# Altium PCB Controller_PVC_v2.PcbDoc (part 1 of 2) (continued)
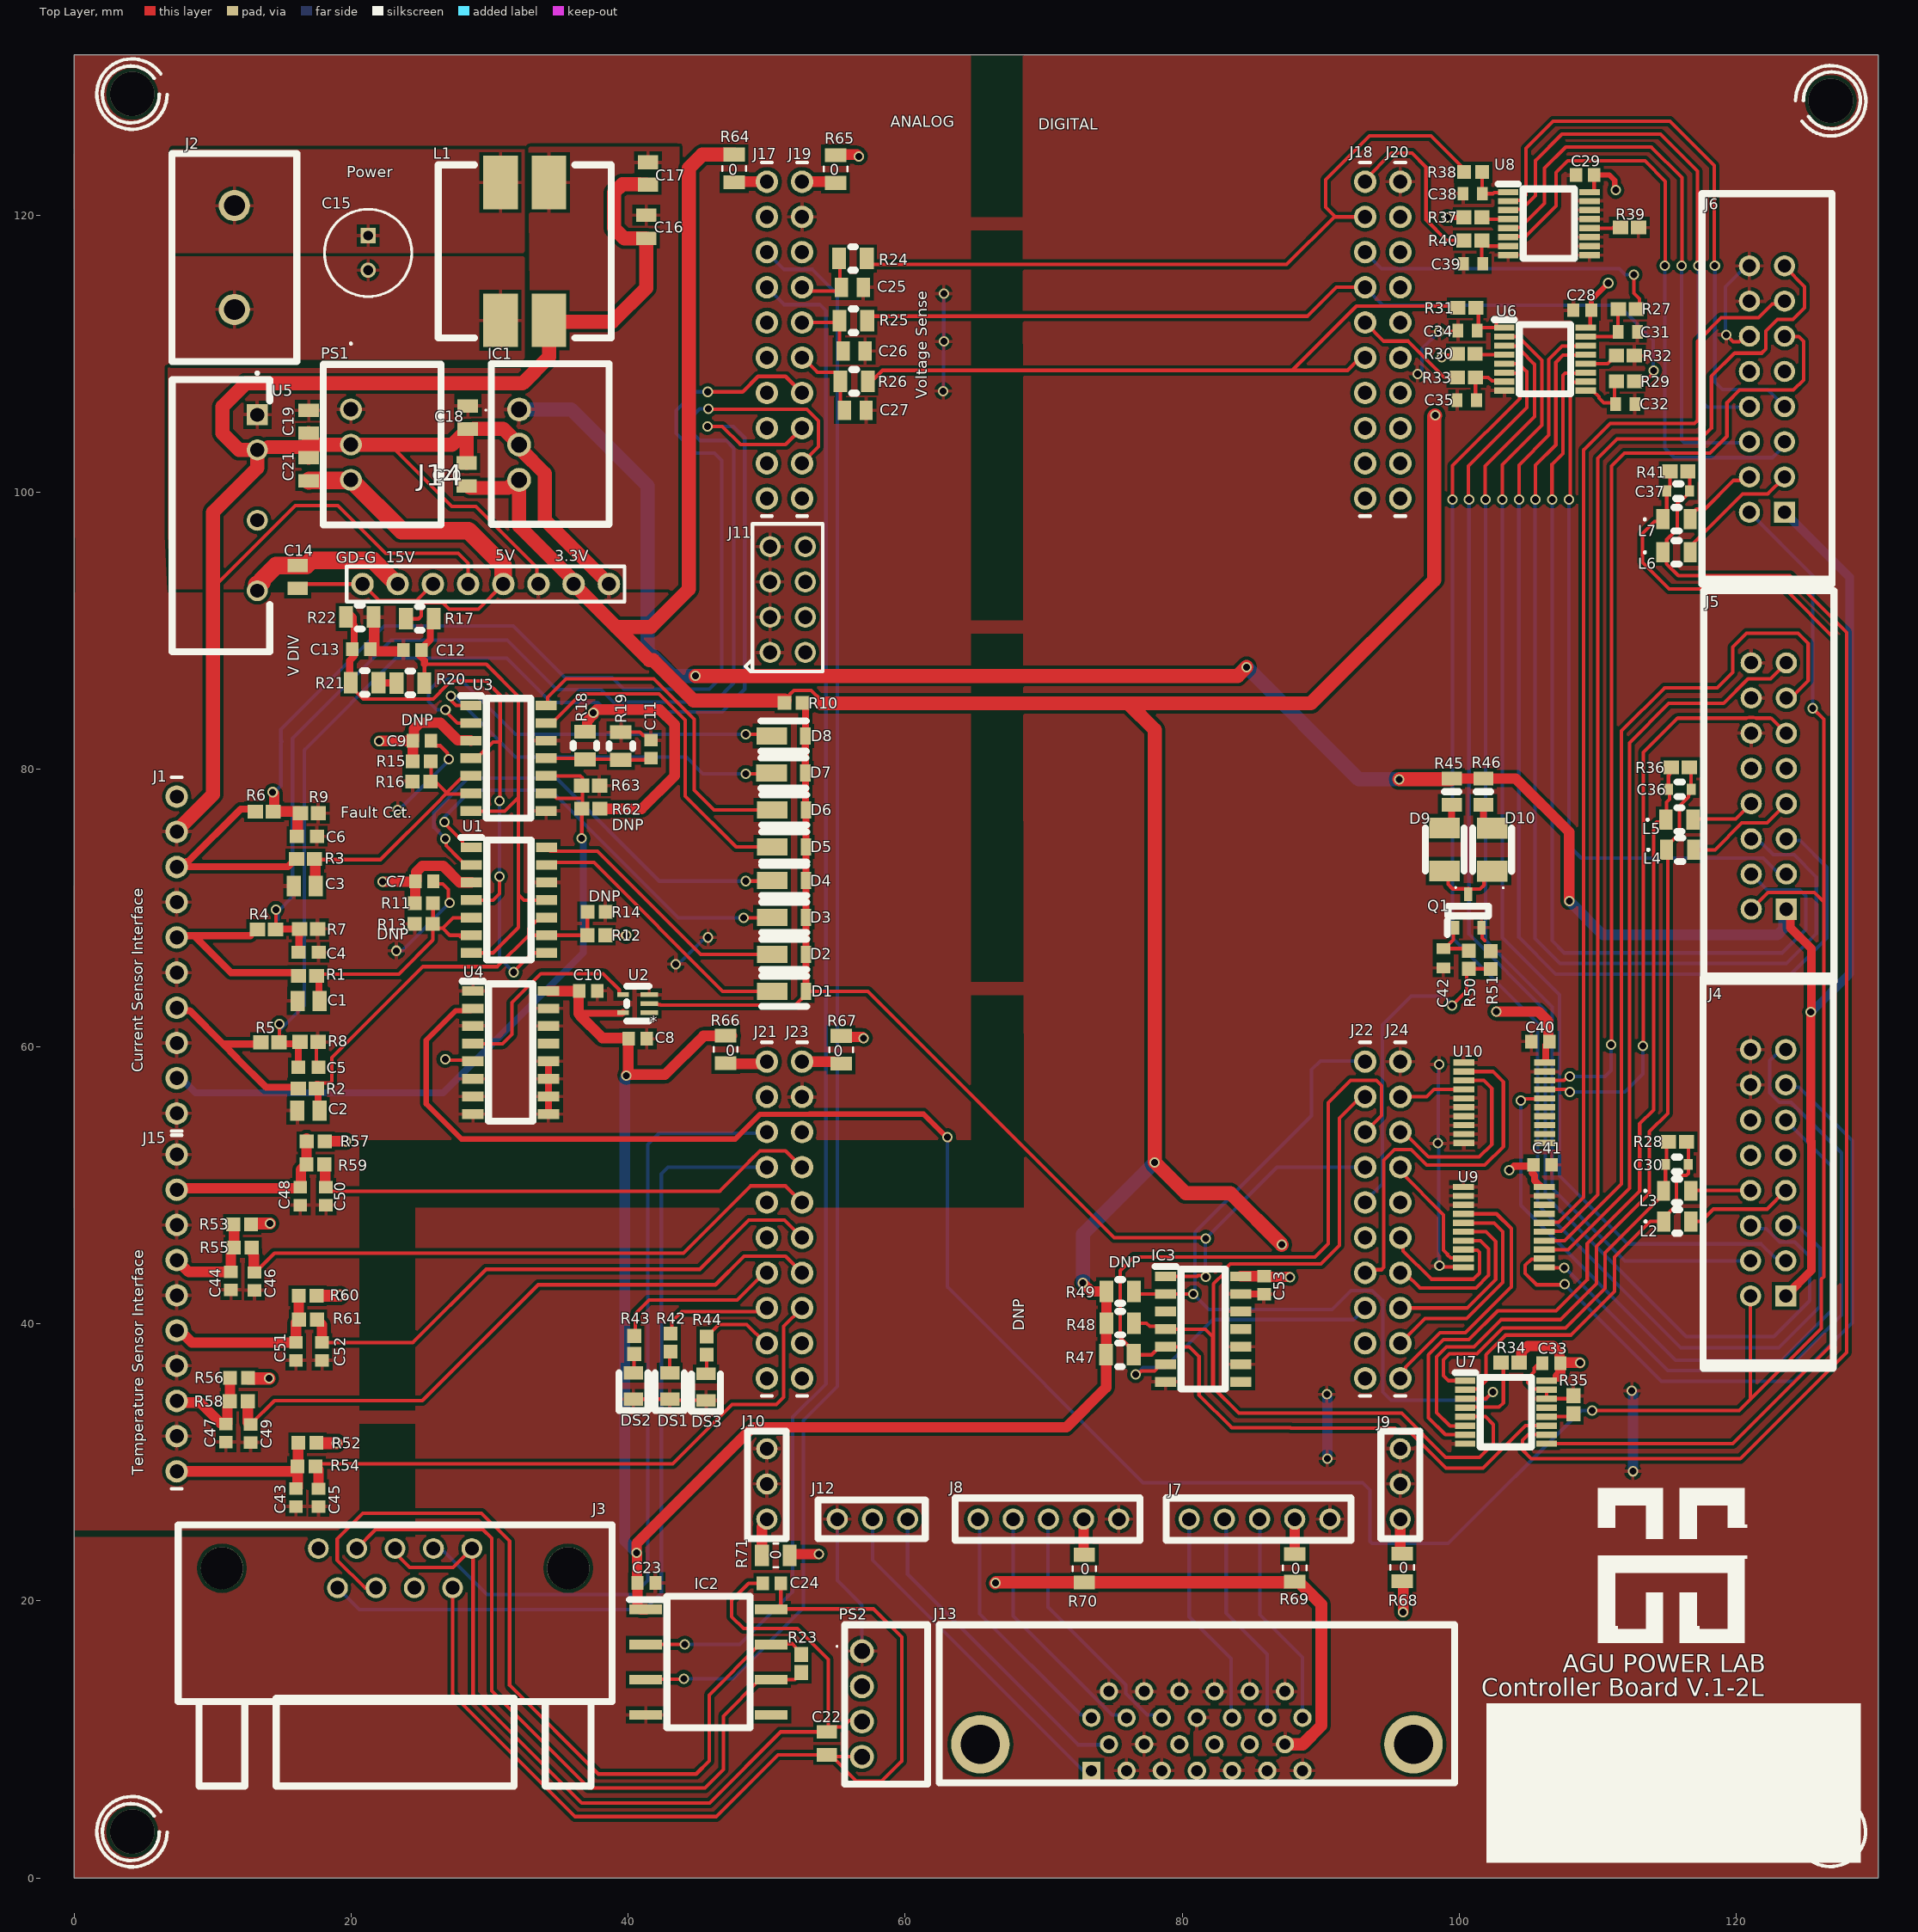
[diagram p0: Top Layer view]
## Components (designator, comment, footprint, x,y, rotation, side; value= is the part's Value field where it differs from the comment) (continued)
R22 "1.24K" RES0805_RN73_TYCO_TYC 20.625,90.983 r0 top
R23 "120" RESC1608X55N#1 52.502,15.469 r90 top
R24 "2.2K ohm 0805 ERA-6ARB222V" RES0805_RN73_TYCO_TYC 56.229,116.865 r180 top
R25 "2.2K ohm 0805 ERA-6ARB222V" RES0805_RN73_TYCO_TYC 56.261,112.37 r180 top
R26 "2.2K ohm 0805 ERA-6ARB222V" RES0805_RN73_TYCO_TYC 56.305,108.001 r180 top
R27 "RC0603JR-07120RL" RESC1608X55N#1 112.116,113.208 r0 top
R28 "100" RESC1608X55N#1 115.733,53.111 r0 top
R29 "RC0603JR-07120RL" RESC1608X55N#1 111.989,108.001 r0 top
R30 "RC0603JR-0715KL" RESC1608X55N#1 100.482,109.982 r0 top
R31 "RC0603JR-07120RL" RESC1608X55N#1 100.533,113.309 r0 top
R32 "RC0603JR-0715KL" RESC1608X55N#1 111.974,109.855 r0 top
R33 "RC0603JR-07120RL" RESC1608X55N#1 100.508,108.28 r0 top
R34 "15k" RESC1608X55N#1 103.657,37.186 r0 top
R35 "15k" RESC1608X55N#1 108.229,34.148 r90 top
R36 "100" RESC1608X55N#1 115.936,80.137 r0 top
R37 "RC0603JR-0715KL" RESC1608X55N#1 100.975,119.837 r0 top
R38 "RC0603JR-07120RL" RESC1608X55N#2 100.99,123.114 r0 top
R39 "RC0603JR-0715KL" RESC1608X55N#1 112.273,119.101 r0 top
R40 "RC0603JR-07120RL" RESC1608X55N#1 100.965,118.161 r0 top
R41 "100" RESC1608X55N#1 115.839,101.498 r0 top
R42 "RC0603FR-07680RL" RESC1608X55N#2 43.053,38.633 r90 top
R43 "RC0603FR-07680RL" RESC1608X55N#2 40.437,38.456 r90 top
R44 "RC0603FR-07680RL" RESC1608X55N#2 45.669,38.405 r90 top
R45 "KTR10EZPF1801" RESC2012X65N 99.441,78.384 r90 top
R46 "KTR10EZPF1801" RESC2012X65N 101.727,78.384 r90 top
R47 "1.24K ohm" RES0805_RN73_TYCO_TYC 75.495,37.744 r0 top
R48 "1.24K ohm" RES0805_RN73_TYCO_TYC 75.514,40.03 r0 top
R49 "1.24K ohm" RES0805_RN73_TYCO_TYC 75.514,42.316 r0 top
R50 "RC0603JR-07120RL" RESC1608X55N#2 100.686,66.254 r90 top
R51 "MCR03ERTF1002" RESC1608X55N#2 102.26,66.228 r270 top
R52 "10k 0.1W" RESC1608X55N#2 16.855,31.394 r0 top
R53 "10k 0.1W" RESC1608X55N#2 12.141,47.168 r0 top
R54 "1k 0.1W" RESC1608X55N#2 16.789,29.693 r0 top
R55 "1k 0.1W" RESC1608X55N#2 12.177,45.491 r0 top
R56 "10k 0.1W" RESC1608X55N#2 11.913,36.093 r0 top
R57 "10k 0.1W" RESC1608X55N#2 17.45,53.137 r0 top
R58 "1k 0.1W" RESC1608X55N#2 11.898,34.392 r0 top
R59 "1k 0.1W" RESC1608X55N#2 17.424,51.486 r0 top
R60 "10k 0.1W" RESC1608X55N#2 16.866,42.012 r0 top
R61 "1k 0.1W" RESC1608X55N#2 16.891,40.284 r0 top
R62 "2k" RESC1608X55N#1 37.313,77.165 r180 top
R63 "2k" RESC1608X55N#1 37.287,78.816 r180 top
R64 "0ohm 0805" RES0805_RN73_TYCO_TYC 47.65,123.368 r270 top
R65 "0ohm 0805" RES0805_RN73_TYCO_TYC 54.966,123.317 r90 top
R66 "0ohm 0805" RES0805_RN73_TYCO_TYC 47.041,59.792 r270 top
R67 "0ohm 0805" RES0805_RN73_TYCO_TYC 55.372,59.766 r90 top
R68 "0ohm 0805" RES0805_RN73_TYCO_TYC 95.86,22.396 r90 top
R69 "0ohm 0805" RES0805_RN73_TYCO_TYC 88.113,22.371 r90 top
R70 "0ohm 0805" RES0805_RN73_TYCO_TYC 72.923,22.32 r90 top
R71 "0ohm 0805" RES0805_RN73_TYCO_TYC 50.654,23.266 r180 top
U1 "LM339DT" SOIC127P600X175-14N 31.394,70.561 r0 top
U2 "74AHC1G14GW (Inverter)" SOT353-1_NXP 40.691,63.094 r180 top
U3 "LM339DT" SOIC127P600X175-14N 31.369,80.797 r0 top
U4 "HEF4043BT,652" SOIC127P600X175-16N 31.521,59.563 r0 top
U5 "PDM2-S12-S15-S" CONV_PDM2-S12-S15-S 13.233,105.588 r270 top
U6 "AM26LV31EIPWR" SOP65P640X120-16N 106.172,109.601 r0 top
U7 "AM26LV32EIPWR" SOP65P640X120-16N 103.353,33.604 r0 top
U8 "AM26LV31EIPWR" SOP65P640X120-16N 106.451,119.38 r0 top
U9 "SN74LV541ATPWRv2" PCBComponent_1#5 100.279,49.847 r0 top
U10 "SN74LV541ATPWRv2" PCBComponent_1#5 100.305,58.828 r0 top

## Footprints (in the part's own frame and the unit in brackets; to place one, negate y for a bottom-side part, rotate by r counter-clockwise, add the part's x,y. Pads: shape width x height; smd on the part's side, far side on the other; paste and mask are expansions set on the pad)
"8POS CONN" [mm]
  round 1.62 hole 1.02: 1(0,10.16) 2(0,7.62) 3(0,5.08) 4(0,2.54) 5(0,0) 6(0,-2.54) 7(0,-5.08) 8(0,-7.62)
  silkscreen extent -1.27,-8.76 1.27,11.3
1022655G3PC [mm]
  rect 1.316x1.316 hole 0.81: 1(0,0)
  round 1.316 hole 0.81: 2(-1.27,-1.91) 3(-2.54,0) 4(-3.81,-1.91) 5(-5.08,0) 6(-6.35,-1.91) 7(-7.62,0) 8(-8.89,-1.91) 9(-10.16,0) 10(-11.43,-1.91) 11(-12.7,0) 12(-13.97,-1.91) 13(-15.24,0) 14(0,-3.82) 15(-1.27,-5.73) 16(-2.54,-3.82) 17(-3.81,-5.73) 18(-5.08,-3.82) 19(-6.35,-5.73) 20(-7.62,-3.82) 21(-8.89,-5.73) 22(-10.16,-3.82) 23(-11.43,-5.73) 24(-12.7,-3.82) 25(-13.97,-5.73) 26(-15.24,-3.82)
  round 4.215 hole 2.81: MH1(8.01,-1.91) MH2(-23.25,-1.91)
  silkscreen extent -26.22,-10.53 10.98,0.87
2828442 [mm]
  round 2.25 hole 1.5: 1(0,0) 2(7.5,0)
  silkscreen extent -3.75,-4.5 11.25,4.5, body extent -3.69,-4.5 11.81,4.5, height 15.02
AA3528VRVFSA [mm]
  rect 1.5x2.2 smd: 1(-1.55,0) 2(1.55,0)
  silkscreen extent -2.8,-1.4 1.55,1.4, body extent -1.6,-1.4 1.6,1.4, height 2.2
CAP_CL10_SAM [mm]
  rect 0.656x0.8 smd paste+0 mask+0: 1(-0.828,0) 2(0.828,0)
  silkscreen extent -0.19,-0.53 0.19,0.53, body extent -0.8,-0.27 0.8,0.53, height 0.9
CAPC1608X90N [mm]
  rect 0.78x0.99 smd: 1(-0.7,0) 2(0.7,0)
  body extent -0.8,-0.4 0.8,0.41, height 0.9
CAPC1608X95N [mm]
  rect 0.89x0.98 smd: 1(-0.65,0) 2(0.65,0)
  body extent -0.8,-0.4 0.8,0.4, height 0.95
CAPC2012X70N [mm]
  rect 0.96x1.39 smd: 1(-0.79,0) 2(0.79,0)
  body extent -1,-0.62 1,0.63, height 0.7
CAPC2012X110N [mm]
  rect 1.02x1.47 smd: 1(-0.8,0) 2(0.8,0)
  body extent -1,-0.62 1,0.63, height 1.1
CAPC2012X145N [mm]
  rect 0.97x1.47 smd: 1(-0.83,0) 2(0.83,0)
  body extent -1,-0.63 1,0.63, height 1.45
CAPC17595_87N_KEM [mm]
  rect 1.006x0.95 smd paste+0 mask+0: 1(-0.728,0) 2(0.728,0)
  body extent -0.89,-0.47 0.86,0.48, height 0.87
CAPPRD250W50D630H1250 [mm]
  rect 1.1x1.1 hole 0.7: 1(0,0)
  round 1.1 hole 0.7: 2(2.5,0)
  silkscreen extent -1.9,-3.15 4.4,3.15, body extent -1.9,-3.15 4.4,3.15, height 12.5
con16_2X8_S4_TEC [mil]
  rect 60x60 hole 38: 1(0,0)
  round 60 hole 38 mask+0: 2(0,100) 3(100,0) 4(100,100) 5(200,0) 6(200,100) 7(300,0) 8(300,100) 9(400,0) 10(400,100) 11(500,0) 12(500,100) 13(600,0) 14(600,100) 15(700,0) 16(700,100)
  silkscreen extent -205,-135 905,235, body extent -50,-50 750,150, height 385
"CONN_A-DS 09 A/KG-T2S_ASM" [mil]
  round 59 hole 39 mask+0: 1(218.11,-429.92) 2(109.06,-429.92) 3(0,-429.92) 4(-109.05,-429.92) 5(-218.11,-429.92) 6(163.58,-318.11) 7(54.53,-318.11) 8(-54.53,-318.11) 9(-163.58,-318.11)
  round 120 hole 120 unplated: 10(-491.93,-374.02) 11(491.93,-374.02)
  silkscreen extent -617,-497 616,245, body extent -606,-487 617,245, height 504
CONV_PDM2-S12-S15-S [mm]
  rect 1.508x1.508 hole 1: 1(0,0)
  round 1.508 hole 1: 2(2.54,0) 4(7.62,0) 6(12.7,0)
  silkscreen extent -3.1,-6.15 17.11,0.9
IND_2012_TDK [mm]
  rect 0.956x1.45 smd paste+0 mask+0: 1(-0.978,0) 2(0.978,0)
  silkscreen extent -2.37,-0.85 0.19,0.85, body extent -1.23,-0.72 0.97,0.73, height 1.1
LEDC2012X80N [mm]
  rect 0.9x1.4 smd: 1(-0.95,0) 2(0.95,0)
  silkscreen extent -1.75,-1.05 0.95,1.05
LEDC2012X90N [mm]
  rect 0.95x1.4 smd: 1(-0.95,0) 2(0.95,0)
  silkscreen extent -1.77,-1.05 0.95,1.05
PCBComponent_1#1 [mm]
  round 1.62 hole 1.02: 1(0,0) 2(0,2.54) 3(0,5.08) 4(0,7.62) 5(0,10.16) 6(0,12.7) 7(0,15.24) 8(0,17.78) 9(0,20.32) 10(0,22.86)
  silkscreen extent -0.38,-1.4 0.38,24.13
PCBComponent_1#2 [mm]
  round 1.524 hole 1: 1(0,0) 2(0,-2.54) 3(0,-5.08) 4(0,-7.62) 5(0,-10.16)
  silkscreen extent -1.52,-11.68 1.52,1.65
PCBComponent_1#3 [mm]
  round 1.524 hole 1: 1(0,0) 2(2.54,0) 3(5.08,0)
  silkscreen extent -1.27,-1.4 6.48,1.4
PCBComponent_1#4 [mm]
  round 1.524 hole 1.016: 1(0,0) 2(0,2.54) 3(0,5.08) 4(0,7.62) 5(2.54,7.62) 6(2.54,5.08) 7(2.54,2.54) 8(2.54,0)
  round 1.524 hole 0.65: 4(0,7.62) 5(2.54,7.62)
  silkscreen extent -1.78,-1.4 3.81,9.27
PCBComponent_1#5 [mm]
  rect 1.524x0.45 smd: 1(0,0.008) 2(0,-0.637) 3(0,-1.282) 4(0,-1.927) 5(0,-2.572) 6(0,-3.217) 7(0,-3.862) 8(0,-4.507) 9(0,-5.152) 10(0,-5.797) 11(5.842,-5.797) 12(5.842,-5.152) 13(5.842,-4.507) 14(5.842,-3.862) 15(5.842,-3.217) 16(5.842,-2.572) 17(5.842,-1.927) 18(5.842,-1.282) 19(5.842,-0.637) 20(5.842,0.008)
  body extent -0.28,-6.17 6.12,0.33, height 1.13
POWERDI123_DIO [mil]
  rect 87x49 smd paste+0 mask+0: 1(-33.5,0)
  rect 30x49 smd paste+0 mask+0: 2(62,0)
  silkscreen extent -64,-43 64,43, body extent -77,-38 77,38, height 39
R78E3310 [mm]
  round 1.725 hole 1.15: 1(0,0) 2(2.54,0) 3(5.08,0)
  silkscreen extent -3.31,-2.45 8.29,6.5, body extent -3.31,-2 8.29,6.5, height 11
R78E5010 [mm]
  round 1.575 hole 1.05: 1(0,0) 2(2.54,0) 3(5.08,0)
  silkscreen extent -4.8,-2 8.34,6.5, body extent -3.26,-2 8.34,6.5, height 10.5
RES0805_RN73_TYCO_TYC [mil]
  rect 39.5x61 smd paste+0 mask+0: 1(-39.25,0) 2(39.25,0)
  silkscreen extent -7,-34 7,34, body extent -53,-29 34,29, height 24
RESC1608X55N#1 [mm]
  rect 1.1x1 smd: 1(-0.65,0) 2(0.65,0)
  body extent -0.8,-0.4 0.8,0.4, height 0.55
RESC1608X55N#2 [mm]
  rect 1x1 smd: 1(-0.65,0) 2(0.65,0)
  body extent -0.8,-0.4 0.8,0.4, height 0.55
RESC2012X65N [mm]
  rect 1x1.45 smd: 1(-0.95,0) 2(0.95,0)
  silkscreen extent 0,-0.53 0,0.53, body extent -1,-0.63 1,0.63, height 0.65
RFM0505S [mm]
  round 1.725 hole 1.15: 1(0,0) 2(2.54,0) 3(5.08,0) 4(7.62,0)
  silkscreen extent -1.9,-1.85 9.6,4.75, body extent -1.9,-1.25 9.6,4.75, height 10.6
SOIC127P600X175-14N [mm]
  rect 1.525x0.7 smd: 1(-2.712,3.81) 2(-2.712,2.54) 3(-2.712,1.27) 4(-2.712,0) 5(-2.712,-1.27) 6(-2.712,-2.54) 7(-2.712,-3.81) 8(2.712,-3.81) 9(2.712,-2.54) 10(2.712,-1.27) 11(2.712,0) 12(2.712,1.27) 13(2.712,2.54) 14(2.712,3.81)
  silkscreen extent -3.48,-4.33 1.6,4.51, body extent -3,-4.33 3,4.33, height 1.75
SOIC127P600X175-16N [mm]
  rect 1.55x0.7 smd: 1(-2.725,4.445) 2(-2.725,3.175) 3(-2.725,1.905) 4(-2.725,0.635) 5(-2.725,-0.635) 6(-2.725,-1.905) 7(-2.725,-3.175) 8(-2.725,-4.445) 9(2.725,-4.445) 10(2.725,-3.175) 11(2.725,-1.905) 12(2.725,-0.635) 13(2.725,0.635) 14(2.725,1.905) 15(2.725,3.175) 16(2.725,4.445)
  silkscreen extent -3.5,-4.95 1.6,5.15, body extent -3,-4.95 3,4.95, height 1.75
SOP65P640X120-16N [mm]
  rect 1.475x0.45 smd: 1(-2.938,2.275) 2(-2.938,1.625) 3(-2.938,0.975) 4(-2.938,0.325) 5(-2.938,-0.325) 6(-2.938,-0.975) 7(-2.938,-1.625) 8(-2.938,-2.275) 9(2.938,-2.275) 10(2.938,-1.625) 11(2.938,-0.975) 12(2.938,-0.325) 13(2.938,0.325) 14(2.938,0.975) 15(2.938,1.625) 16(2.938,2.275)
  silkscreen extent -3.67,-2.5 1.85,2.85, body extent -3.2,-2.5 3.2,2.5, height 1.2
SOP254P1040X485-8N [mm]
  rect 2.35x0.7 smd: 1(-4.525,3.81) 2(-4.525,1.27) 3(-4.525,-1.27) 4(-4.525,-3.81) 5(4.525,-3.81) 6(4.525,-1.27) 7(4.525,1.27) 8(4.525,3.81)
  silkscreen extent -5.7,-4.75 3,4.75, body extent -5.2,-4.75 5.2,4.75, height 4.85
SOT96P237X111-3N [mm]
  rect 1x0.6 smd: 1(-1.2,0.955) 2(-1.2,-0.955) 3(1.2,0)
  silkscreen extent -1.7,-1.46 0.35,1.51, body extent -1.18,-1.46 1.18,1.46, height 1.11
SOT353-1_NXP [mil]
  rect 51x14 smd paste+0 mask+0: 1(-33,25.59) 2(-33,0) 3(-33,-25.59)
  rect 33x14 smd paste+0 mask+0: 4(42,-25.59) 5(42,25.59)
  silkscreen extent -32,-49 32,50, body extent -39,-44 49,44, height 43
WE-SCC_1260/121070 [mm]
  rect 2.5x3.85 smd: 1(1.75,4.975) 2(-1.75,4.975) 3(-1.75,-4.975) 4(1.75,-4.975)
  silkscreen extent -6.25,-6.25 6.25,6.25

## Part data
C1 C2 C3: "Capacitor", Manufacturer_Name=Kemet, Mouser Part Number=80-C0805C333K1RECAUT, Arrow Part Number=C0805C333K1RECAUTO, Arrow Price/Stock=https://www.arrow.com/en/products/c0805c333k1recauto/kemet-corporation, Datasheet Link=https://www.mouser.com/datasheet/2/212/KEM_C1090_X7R_ESD-1103328.pdf, Height=1.1mm, Manufacturer_Part_Number=C0805C333K1RECAUTO, Mouser Price/Stock=https://www.mouser.co.uk/ProductDetail/KEMET/C0805C333K1RECAUTO?qs=MLItCLRbWsxom6VmSobfew%3D%3D
C4 C5 C6 D1 D2 D3 D4 D5 D6 D7 D8 J3 J4 J5 J6 L3 L5 L7: "No Description Available", Copyright="Copyright (C) 2018 Accelerated Designs. All rights reserved", RefDes=RefDes, Type=DEV
  C4 C5 C6: Built_By=EMA_Frank, Manufacturer_Part_Number=C0603C103K3RACAUTO, Source_Library=Kemet_2020-03-25_2.xlr, SourceLibrary=Kemet_2020-03-25_2a, Vendor=Kemet
  D1 D2 D3 D4 D5 D6 D7 D8: Built_By=EMA_Cory, Datasheet=https://www.diodes.com/assets/Datasheets/ds30602.pdf, Manufacturer_Part_Number=DFLR1200, SourceLibrary=Add_to_database_2020-12-23, Vendor="Diodes Inc"
  J3: Built_By=EMA_Cory, Datasheet=http://www.assmann-wsw.com/uploads/datasheets/ASS_4888_CO.pdf, Manufacturer_Part_Number=A-DS-09-A/KG-T2S, SourceLibrary=Update_to_database_2021-01-13, Vendor=Assmann
  J4 J5 J6: Built_By=EMA_UL_Team, Manufacturer_Part_Number=1761606-6, SourceLibrary=Amp_2012-01-01, Supplier 1=Avnet, Supplier Part Number 1=1761606-6, Vendor="TE Connectivity"
  L3 L5 L7: Built_By=EMA_UL_Team, Manufacturer_Part_Number=MLZ2012N1R0LT000, SourceLibrary=TDK_2015_05_22, Supplier 1="Arrow Electronics", Supplier Part Number 1=MLZ2012N1R0LT000, Vendor=TDK
C7 C8 C9 C10 C11 C12 C13 C23 C24 C33 C40 C41 C53: library part C0603C104K3RACTU, "Capacitor", Manufacturer_Name=Kemet, Mouser Part Number=80-C0603C104K3R, Arrow Part Number=C0603C104K3RACTU, Arrow Price/Stock=https://www.arrow.com/en/products/c0603c104k3ractu/kemet-corporation, Datasheet Link=https://content.kemet.com/datasheets/KEM_C1002_X7R_SMD.pdf, Height=0.95mm, Manufacturer_Part_Number=C0603C104K3RACTU, Mouser Price/Stock=https://www.mouser.co.uk/ProductDetail/KEMET/C0603C104K3RACTU?qs=l5k%252BbMnNDklvfdneglCDAg%3D%3D
C14 C16 C18 C19 C20 C21 C22: library part GRM21BC71E106KE11L, "Capacitor", Manufacturer_Name="Murata Electronics", Mouser Part Number=81-GRM21BC71E106KE1L, Arrow Part Number=GRM21BC71E106KE11L, Arrow Price/Stock=https://www.arrow.com/en/products/grm21bc71e106ke11l/murata-manufacturing, Datasheet Link=https://psearch.en.murata.com/capacitor/product/GRM21BC71E106KE11%23.html, Height=1.45mm, Manufacturer_Part_Number=GRM21BC71E106KE11L, Mouser Price/Stock=https://www.mouser.co.uk/ProductDetail/Murata-Electronics/GRM21BC71E106KE11L?qs=K0Sa7bCb58LrYXYsv2LNmQ%3D%3D
C15: library part UPW1H470MED, "Capacitor Polarised", Manufacturer_Name=Nichicon, Mouser Part Number=647-UPW1H470MED, Arrow Part Number=UPW1H470MED, Arrow Price/Stock=https://www.arrow.com/en/products/upw1h470med/nichicon, Datasheet Link=https://componentsearchengine.com/Datasheets/1/UPW1H470MED.pdf, Height=12.5mm, Manufacturer_Part_Number=UPW1H470MED, Mouser Price/Stock=https://www.mouser.co.uk/ProductDetail/Nichicon/UPW1H470MED/?qs=anB8x51WyfqvWEoNgBXxIw%3D%3D
C17: library part C0805C333K1RECAUTO, "Capacitor", Manufacturer_Name=Kemet, Mouser Part Number=80-C0805C333K1RECAUT, Arrow Part Number=C0805C333K1RECAUTO, Arrow Price/Stock=https://www.arrow.com/en/products/c0805c333k1recauto/kemet-corporation, Datasheet Link=https://www.mouser.com/datasheet/2/212/KEM_C1090_X7R_ESD-1103328.pdf, Height=1.1mm, Manufacturer_Part_Number=C0805C333K1RECAUTO, Mouser Price/Stock=https://www.mouser.co.uk/ProductDetail/KEMET/C0805C333K1RECAUTO?qs=MLItCLRbWsxom6VmSobfew%3D%3D
C25 C26 C27: library part CC0805KRX7R9BB223, "Capacitor", Manufacturer_Name="YAGEO (PHYCOMP)", Mouser Part Number=603-CC805KRX7R9BB223, Arrow Part Number=CC0805KRX7R9BB223, Arrow Price/Stock=https://www.arrow.com/en/products/cc0805krx7r9bb223/yageo, Datasheet Link=http://www.yageo.com/documents/recent/UPY-GPHC_X7R_6.3V-to-50V_18.pdf, Height=0.7mm, Manufacturer_Part_Number=CC0805KRX7R9BB223, Mouser Price/Stock=https://www.mouser.com/Search/Refine.aspx?Keyword=603-CC805KRX7R9BB223
C28 C29: "Capacitor", Manufacturer_Name=Kemet, Mouser Part Number=80-C0603C104K3R, Arrow Part Number=C0603C104K3RACTU, Arrow Price/Stock=https://www.arrow.com/en/products/c0603c104k3ractu/kemet-corporation, Datasheet Link=https://content.kemet.com/datasheets/KEM_C1002_X7R_SMD.pdf, Height=0.95mm, Manufacturer_Part_Number=C0603C104K3RACTU, Mouser Price/Stock=https://www.mouser.co.uk/ProductDetail/KEMET/C0603C104K3RACTU?qs=l5k%252BbMnNDklvfdneglCDAg%3D%3D
C30 C36 C37: library part CL10C270JB8NNNC, "No Description Available", Built_By=EMA_Rocco, Copyright="Copyright (C) 2018 Accelerated Designs. All rights reserved", Manufacturer_Part_Number=CL10C270JB8NNNC, RefDes=RefDes, SourceLibrary=Samsung_2019-08-29, Type=DEV, Vendor=Samsung
C31 C32 C34 C35 C38 C39 C42: "Capacitor", Manufacturer_Name="Samsung Electro-Mechanics", Datasheet Link=https://lcsc.componentsearchengine.com/Datasheets/2/CL10C101JB8NNNC.pdf, Height=0.9mm, Manufacturer_Part_Number=CL10C101JB8NNNC
  C34 C38 C42: Supplier 1="Arrow Electronics", Supplier Part Number 1=CL10C101JB8NNNC
C43 C44 C45 C46 C47 C48 C49 C50 C51 C52: library part C0603X104J5RACTU, "Capacitor", Manufacturer_Name=Kemet, Mouser Part Number=80-C0603X104J5R, Arrow Part Number=C0603X104J5RACTU, Arrow Price/Stock=https://www.arrow.com/en/products/c0603x104j5ractu/kemet-corporation, Datasheet Link=https://api.kemet.com/component-edge/download/datasheet/C0603X104J5RACTU.pdf, Height=0.95mm, Manufacturer_Part_Number=C0603X104J5RACTU, Mouser Price/Stock=https://www.mouser.com/Search/Refine.aspx?Keyword=80-C0603X104J5R
D9 D10: "LED", Arrow Part Number=AA3528VRVFS/A, Manufacturer_Name=Kingbright, Mouser Part Number=604-AA3528VRVFS/A, Arrow Price/Stock=https://www.arrow.com/en/products/aa3528vrvfsa/kingbright, Datasheet Link=https://mouser.componentsearchengine.com/Datasheets/1/AA3528VRVFS_A.pdf, Height=2.1mm, Manufacturer_Part_Number=AA3528VRVFS/A, Mouser Price/Stock=https://www.mouser.co.uk/ProductDetail/Kingbright/AA3528VRVFS-A?qs=rY7msk5yxfb63mh907EyRA%3D%3D
DS1: "LED", Manufacturer_Name=Lite-On, Mouser Part Number=859-LTST-C171KSKT, Arrow Part Number=LTST-C171KSKT, Arrow Price/Stock=https://www.arrow.com/en/products/ltst-c171kskt/lite-on-technology, Datasheet Link=https://componentsearchengine.com/Datasheets/1/LTST-C171KSKT.pdf, Height=0.9mm, Manufacturer_Part_Number=LTST-C171KSKT, Mouser Price/Stock=https://www.mouser.co.uk/ProductDetail/Lite-On/LTST-C171KSKT?qs=llMtm9xcdM0CwR1bByTaUQ%3D%3D
DS2: "LED", Arrow Part Number="LH R974-LP-1", Manufacturer_Name=OSRAM, Mouser Part Number=720-LHR974-LP-1, Arrow Price/Stock=https://www.arrow.com/en/products/lhr974-lp-1/osram-opto-semiconductors, Datasheet Link="https://componentsearchengine.com/Datasheets/1/LH R974-LP-1.pdf", Height=0.9mm, Manufacturer_Part_Number="LH R974-LP-1", Mouser Price/Stock=https://www.mouser.co.uk/ProductDetail/OSRAM-Opto-Semiconductors/LH-R974-LP-1?qs=LsPilcdHE7GU7OJxbROzng%3D%3D